# KiCad board Keebs v2.kicad_pcb (continued)
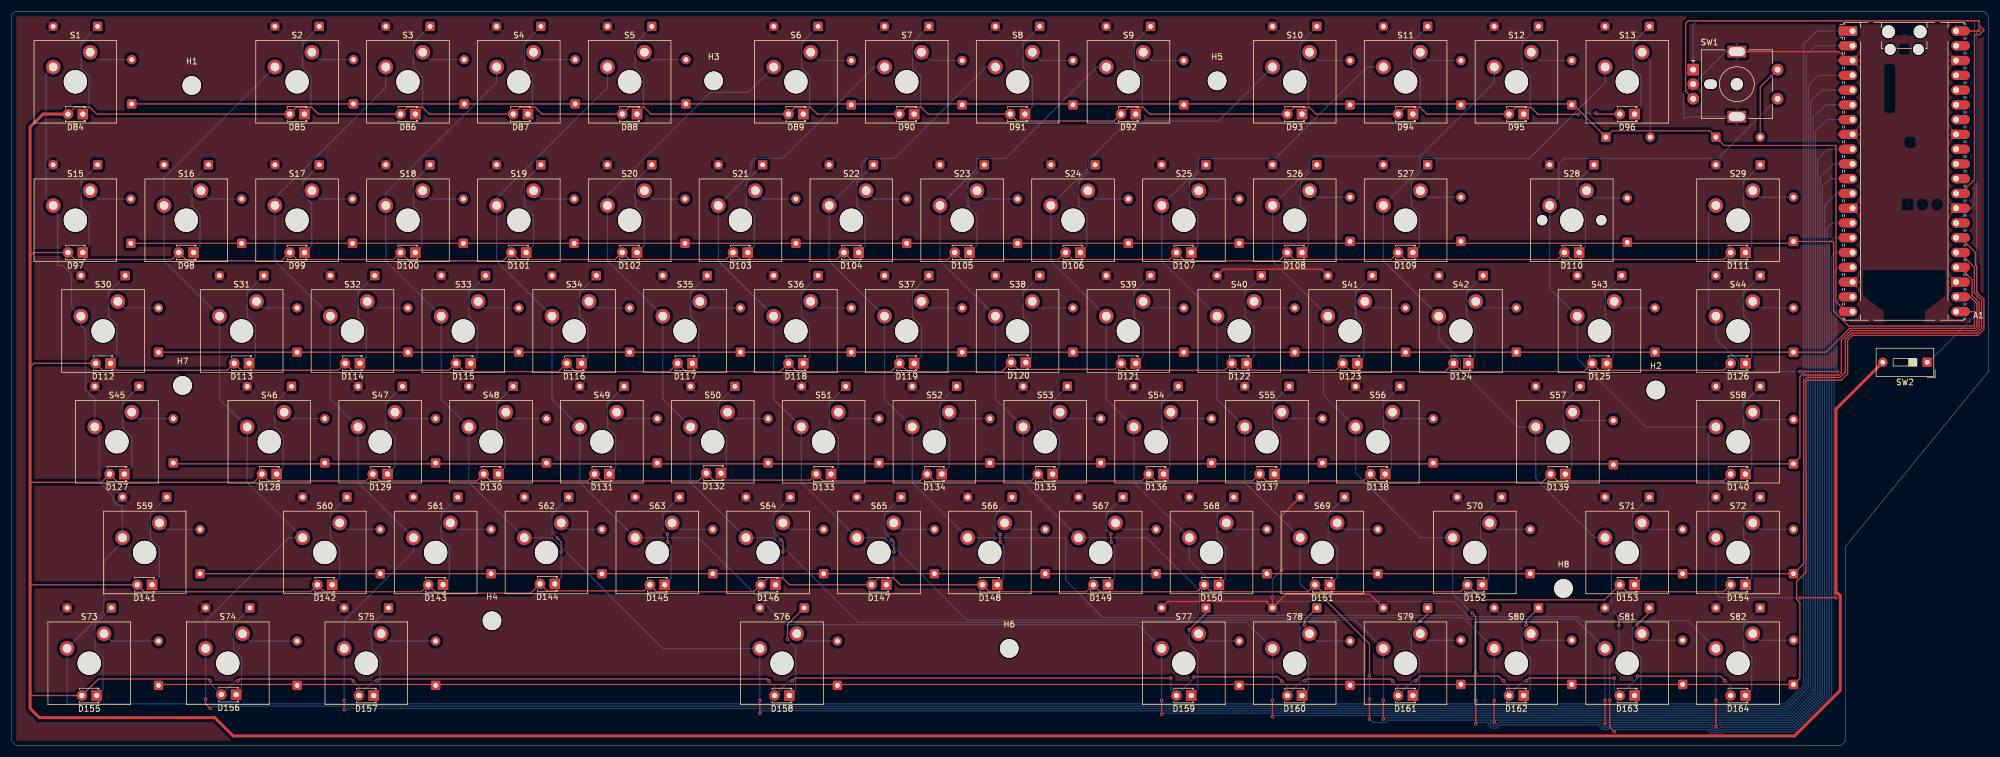
[diagram p0: board, top side]
## Placement (name value [footprint] x y rotation side) (continued)
S67  Keyswitch  [MX_Plate_1.00u]  187.15 33.18 0 top
S68  Keyswitch  [MX_Plate_1.00u]  206.2 33.18 0 top
S69  Keyswitch  [MX_Plate_1.00u]  225.25 33.18 0 top
S70  Keyswitch  [MX_Plate_1.75u]  251.44 33.18 0 top
S71  Keyswitch  [MX_Plate_1.00u]  277.64 33.18 0 top
S72  Keyswitch  [MX_Plate_1.00u]  296.69 33.18 0 top
S73  Keyswitch  [MX_Plate_1.25u]  13.33 14.13 0 top
S74  Keyswitch  [MX_Plate_1.25u]  37.15 14.13 0 top
S75  Keyswitch  [MX_Plate_1.25u]  60.96 14.13 0 top
S76  Keyswitch  [MX_Plate_6.25u]  132.39 14.13 0 top
S77  Keyswitch  [MX_Plate_1.00u]  201.44 14.13 0 top
S78  Keyswitch  [MX_Plate_1.00u]  220.49 14.13 0 top
S79  Keyswitch  [MX_Plate_1.00u]  239.54 14.13 0 top
S80  Keyswitch  [MX_Plate_1.00u]  258.59 14.13 0 top
S81  Keyswitch  [MX_Plate_1.00u]  277.64 14.13 0 top
S82  Keyswitch  [MX_Plate_1.00u]  296.69 14.13 0 top
SW1  RotaryEncoder_Switch_MP  [RotaryEncoder_Alps_EC11E-Switch_Vertical_H20mm_MountingHoles]  288.98 116.22 0 top
SW2  SW_DIP_x01  [SW_DIP_SPSTx01_Slide_9.78x4.72mm_W7.62mm_P2.54mm]  329.18 65.89 180 top

## Library data of the parts
A1 = -: Datasheet: https://datasheets.raspberrypi.com/pico/pico-datasheet.pdf; Description: Versatile and inexpensive microcontroller module powered by RP2040 dual-core Arm Cortex-M0+ processor up to 133 MHz, 264kB SRAM, 2MB QSPI flash; also supports Raspberry Pi Pico 2; ki_fp_filters: RaspberryPi?Pico?Common* RaspberryPi?Pico?SMD*
D1-D82 = -: Description: 1N4148 (DO-35) or 1N4148W (SOD-123); Sim.Device: D; Sim.Pins: 1=K 2=A; ki_fp_filters: D*DO?35*
D84-D164 = -: Description: Light emitting diode; ki_fp_filters: LED* LED_SMD:* LED_THT:*
H1-H8 = -: Description: Mounting Hole without connection; ki_fp_filters: MountingHole*
R1-R81 = -: ki_fp_filters: R_*
S1-S13 S15-S82 = -: Description: Push button switch, normally open, two pins, 45° tilted
SW1 = -: Description: Rotary encoder, dual channel, incremental quadrate outputs, with switch and MP Pin; ki_fp_filters: RotaryEncoder*Switch*
SW2 = -: Description: 1x DIP Switch, Single Pole Single Throw (SPST) switch, small symbol; ki_fp_filters: SW?DIP?x1*

## Footprints (pads in the part's own frame, mm; a bottom-side part is the same pattern mirrored in y, then rotated)
D_DO-35_SOD27_P7.62mm_Horizontal
  rrect 1.6x1.6 hole 0.8: 1(0,0)
  round 1.6 hole 0.8: 2(7.62,0)
LED_D1.8mm_W3.3mm_H2.4mm
  rect 1.8x1.8 hole 0.9: 1(0,0)
  round 1.8 hole 0.9: 2(2.54,0)
MountingHole_3.2mm_M3
  round 3.2 hole 3.2 unplated: (0,0)
MX_PCB_2.00u
  round 1.75 hole 1.75 unplated: (-5.08,0) (5.08,0)
  round 4 hole 4 unplated: (0,0)
  round 2.5 hole 1.5: 1(-3.81,2.54) 2(2.54,5.08)
MX_Plate_1.00u
  round 4 hole 4 unplated: (0,0)
  round 2.5 hole 1.5: 1(-3.81,2.54) 2(2.54,5.08)
MX_Plate_1.25u
  round 4 hole 4 unplated: (0,0)
  round 2.5 hole 1.5: 1(-3.81,2.54) 2(2.54,5.08)
MX_Plate_1.50u
  round 4 hole 4 unplated: (0,0)
  round 2.5 hole 1.5: 1(-3.81,2.54) 2(2.54,5.08)
MX_Plate_1.75u
  round 4 hole 4 unplated: (0,0)
  round 2.5 hole 1.5: 1(-3.81,2.54) 2(2.54,5.08)
MX_Plate_2.25u
  round 4 hole 4 unplated: (0,0)
  round 2.5 hole 1.5: 1(-3.81,2.54) 2(2.54,5.08)
MX_Plate_6.25u
  round 4 hole 4 unplated: (0,0)
  round 2.5 hole 1.5: 1(-3.81,2.54) 2(2.54,5.08)
RaspberryPi_Pico_Common_Unspecified
  round 2.2 hole 2.2 unplated: (-2.725,24) (2.725,24)
  round 1.85 hole 1.85 unplated: (-2.425,20.97) (2.425,20.97)
  custom 3.2x1.6 smd: 1(-9.69,24.13) 3(-9.69,19.05) 8(-9.69,6.35) 13(-9.69,-6.35) 18(-9.69,-19.05) 23(9.69,-19.05) 28(9.69,-6.35) 33(9.69,6.35) 38(9.69,19.05)
  rrect 1.6x1.6 hole 1: 1(-8.89,24.13)
  rrect 3.2x1.6 smd: 2(-9.69,21.59) 4(-9.69,16.51) 5(-9.69,13.97) 6(-9.69,11.43) 7(-9.69,8.89) 9(-9.69,3.81) 10(-9.69,1.27) 11(-9.69,-1.27) 12(-9.69,-3.81) 14(-9.69,-8.89) 15(-9.69,-11.43) 16(-9.69,-13.97) 17(-9.69,-16.51) 19(-9.69,-21.59) 20(-9.69,-24.13) 21(9.69,-24.13) 22(9.69,-21.59) 24(9.69,-16.51) 25(9.69,-13.97) 26(9.69,-11.43) 27(9.69,-8.89) 29(9.69,-3.81) 30(9.69,-1.27) 31(9.69,1.27) 32(9.69,3.81) 34(9.69,8.89) 35(9.69,11.43) 36(9.69,13.97) 37(9.69,16.51) 39(9.69,21.59) 40(9.69,24.13)
  round 1.6 hole 1: 2(-8.89,21.59) 4(-8.89,16.51) 5(-8.89,13.97) 6(-8.89,11.43) 7(-8.89,8.89) 9(-8.89,3.81) 10(-8.89,1.27) 11(-8.89,-1.27) 12(-8.89,-3.81) 14(-8.89,-8.89) 15(-8.89,-11.43) 16(-8.89,-13.97) 17(-8.89,-16.51) 19(-8.89,-21.59) 20(-8.89,-24.13) 21(8.89,-24.13) 22(8.89,-21.59) 24(8.89,-16.51) 25(8.89,-13.97) 26(8.89,-11.43) 27(8.89,-8.89) 29(8.89,-3.81) 30(8.89,-1.27) 31(8.89,1.27) 32(8.89,3.81) 34(8.89,8.89) 35(8.89,11.43) 36(8.89,13.97) 37(8.89,16.51) 39(8.89,21.59) 40(8.89,24.13)
  custom 1.6x1.6 hole 1: 3(-8.89,19.05) 8(-8.89,6.35) 13(-8.89,-6.35) 18(-8.89,-19.05) 23(8.89,-19.05) 28(8.89,-6.35) 33(8.89,6.35) 38(8.89,19.05)
RotaryEncoder_Alps_EC11E-Switch_Vertical_H20mm_MountingHoles
  oval 2.2x1.6 hole 2.2x1.6 unplated: (3,-2.5)
  round 2.1 hole 2.1 unplated: (7.5,-2.5)
  rect 2x2 hole 1: A(0,0)
  round 2 hole 1: B(0,-5) C(0,-2.5) S1(14.5,-5) S2(14.5,0)
  rect 3.2x2 hole 2.8x1.5: MP(7.5,3.1) MP(7.5,-8.1)
SW_DIP_SPSTx01_Slide_9.78x4.72mm_W7.62mm_P2.54mm
  rrect 1.6x1.6 hole 0.8: 1(0,0)
  round 1.6 hole 0.8: 2(7.62,0)

## Nets
GND: A1.3 A1.8 A1.13 A1.18 A1.23 A1.28 A1.33 A1.38 R1.2 R2.2 R3.2 R4.2 R5.2 R6.2 R7.2 R8.2 R9.2 R10.2 R11.2 R12.2 R13.2 R14.2 R15.2 R16.2 R17.2 R18.2 R19.2 R20.2 R21.2 R22.2 R23.2 R24.2 R25.2 R26.2 R27.2 R28.2 R29.2 R30.2 R31.2 R32.2 R33.2 R34.2 R35.2 R36.2 R37.2 R38.2 R39.2 R40.2 R41.2 R42.2 R43.2 R44.2 R45.2 R46.2 R47.2 R48.2 R49.2 R50.2 R51.2 R52.2 R53.2 R54.2 R55.2 R56.2 R57.2 R58.2 R59.2 R60.2 R61.2 R62.2 R63.2 R64.2 R65.2 R66.2 R67.2 R68.2 R69.2 R70.2 R71.2 R72.2 R73.2 R74.2 R75.2 R76.2 R77.2 R78.2 R79.2 R80.2 R81.2 SW1.C SW1.MP
VBUS: A1.40 SW2.1
COL0: A1.1 S1.1 S15.1 S30.1 S45.1 S59.1 S73.1
COL1: A1.2 S2.1 S16.1 S31.1 S46.1 S60.1 S74.1
COL2: A1.4 S3.1 S17.1 S32.1 S47.1 S61.1 S75.1
COL3: A1.5 S4.1 S18.1 S33.1 S48.1 S62.1 S76.1
COL4: A1.6 S5.1 S19.1 S34.1 S49.1 S63.1 S77.1
COL5: A1.7 S6.1 S20.1 S35.1 S50.1 S64.1 S78.1
COL6: A1.9 S7.1 S21.1 S36.1 S51.1 S65.1 S79.1
COL7: A1.10 S8.1 S22.1 S37.1 S52.1 S66.1 S80.1
COL8: A1.11 S9.1 S23.1 S38.1 S53.1 S67.1 S81.1
COL9: A1.12 S10.1 S24.1 S39.1 S54.1 S68.1 S82.1
COL10: A1.14 S11.1 S25.1 S40.1 S55.1 S69.1
COL11: A1.15 S12.1 S26.1 S41.1 S56.1 S70.1
COL12: A1.16 S13.1 S27.1 S42.1 S57.1 S71.1
COL13: A1.17 S28.1 S43.1 S58.1 S72.1 SW1.S1
COL14: A1.19 S29.1 S44.1
ENC_A: A1.27 SW1.A
ENC_B: A1.29 SW1.B
LED: D84.2 D85.2 D86.2 D87.2 D88.2 D89.2 D90.2 D91.2 D92.2 D93.2 D94.2 D95.2 D96.2 D97.2 D98.2 D99.2 D100.2 D101.2 D102.2 D103.2 D104.2 D105.2 D106.2 D107.2 D108.2 D109.2 D110.2 D111.2 D112.2 D113.2 D114.2 D115.2 D116.2 D117.2 D118.2 D119.2 D120.2 D121.2 D122.2 D123.2 D124.2 D125.2 D126.2 D127.2 D128.2 D129.2 D130.2 D131.2 D132.2 D133.2 D134.2 D135.2 D136.2 D137.2 D138.2 D139.2 D140.2 D141.2 D142.2 D143.2 D144.2 D145.2 D146.2 D147.2 D148.2 D149.2 D150.2 D151.2 D152.2 D153.2 D154.2 D155.2 D156.2 D157.2 D158.2 D159.2 D160.2 D161.2 D162.2 D163.2 D164.2 SW2.2
ROW0: A1.20 D1.1 D2.1 D3.1 D4.1 D5.1 D6.1 D7.1 D8.1 D9.1 D10.1 D11.1 D12.1 D13.1 D14.1
ROW1: A1.21 D15.1 D16.1 D17.1 D18.1 D19.1 D20.1 D21.1 D22.1 D23.1 D24.1 D25.1 D26.1 D27.1 D28.1 D29.1
ROW2: A1.22 D30.1 D31.1 D32.1 D33.1 D34.1 D35.1 D36.1 D37.1 D38.1 D39.1 D40.1 D41.1 D42.1 D43.1 D44.1
ROW3: A1.24 D45.1 D46.1 D47.1 D48.1 D49.1 D50.1 D51.1 D52.1 D53.1 D54.1 D55.1 D56.1 D57.1 D58.1
ROW4: A1.25 D59.1 D60.1 D61.1 D62.1 D63.1 D64.1 D65.1 D66.1 D67.1 D68.1 D69.1 D70.1 D71.1 D72.1
ROW5: A1.26 D73.1 D74.1 D75.1 D76.1 D77.1 D78.1 D79.1 D80.1 D81.1 D82.1
Net-(D1-A): D1.2 S1.2
Net-(D2-A): D2.2 S2.2
Net-(D3-A): D3.2 S3.2
Net-(D4-A): D4.2 S4.2
Net-(D5-A): D5.2 S5.2
Net-(D6-A): D6.2 S6.2
Net-(D7-A): D7.2 S7.2
Net-(D8-A): D8.2 S8.2
Net-(D9-A): D9.2 S9.2
Net-(D10-A): D10.2 S10.2
Net-(D11-A): D11.2 S11.2
Net-(D12-A): D12.2 S12.2
Net-(D13-A): D13.2 S13.2
Net-(D14-A): D14.2 SW1.S2
Net-(D15-A): D15.2 S15.2
Net-(D16-A): D16.2 S16.2
Net-(D17-A): D17.2 S17.2
Net-(D18-A): D18.2 S18.2
Net-(D19-A): D19.2 S19.2
Net-(D20-A): D20.2 S20.2
Net-(D21-A): D21.2 S21.2
Net-(D22-A): D22.2 S22.2
Net-(D23-A): D23.2 S23.2
Net-(D24-A): D24.2 S24.2
Net-(D25-A): D25.2 S25.2
Net-(D26-A): D26.2 S26.2
Net-(D27-A): D27.2 S27.2
Net-(D28-A): D28.2 S28.2
Net-(D29-A): D29.2 S29.2
Net-(D30-A): D30.2 S30.2
Net-(D31-A): D31.2 S31.2
Net-(D32-A): D32.2 S32.2
Net-(D33-A): D33.2 S33.2
Net-(D34-A): D34.2 S34.2
Net-(D35-A): D35.2 S35.2
Net-(D36-A): D36.2 S36.2
Net-(D37-A): D37.2 S37.2
Net-(D38-A): D38.2 S38.2
Net-(D39-A): D39.2 S39.2
Net-(D40-A): D40.2 S40.2
Net-(D41-A): D41.2 S41.2
Net-(D42-A): D42.2 S42.2
Net-(D43-A): D43.2 S43.2
Net-(D44-A): D44.2 S44.2
Net-(D45-A): D45.2 S45.2
Net-(D46-A): D46.2 S46.2
Net-(D47-A): D47.2 S47.2
Net-(D48-A): D48.2 S48.2
Net-(D49-A): D49.2 S49.2
Net-(D50-A): D50.2 S50.2
Net-(D51-A): D51.2 S51.2
Net-(D52-A): D52.2 S52.2
Net-(D53-A): D53.2 S53.2
Net-(D54-A): D54.2 S54.2
Net-(D55-A): D55.2 S55.2
Net-(D56-A): D56.2 S56.2
Net-(D57-A): D57.2 S57.2
Net-(D58-A): D58.2 S58.2
Net-(D59-A): D59.2 S59.2
Net-(D60-A): D60.2 S60.2
Net-(D61-A): D61.2 S61.2
Net-(D62-A): D62.2 S62.2
Net-(D63-A): D63.2 S63.2
Net-(D64-A): D64.2 S64.2
Net-(D65-A): D65.2 S65.2
Net-(D66-A): D66.2 S66.2
Net-(D67-A): D67.2 S67.2
Net-(D68-A): D68.2 S68.2
Net-(D69-A): D69.2 S69.2
Net-(D70-A): D70.2 S70.2
Net-(D71-A): D71.2 S71.2
Net-(D72-A): D72.2 S72.2
Net-(D73-A): D73.2 S73.2
Net-(D74-A): D74.2 S74.2
Net-(D75-A): D75.2 S75.2
Net-(D76-A): D76.2 S76.2
Net-(D77-A): D77.2 S77.2
Net-(D78-A): D78.2 S78.2
Net-(D79-A): D79.2 S79.2
Net-(D80-A): D80.2 S80.2
Net-(D81-A): D81.2 S81.2
Net-(D82-A): D82.2 S82.2
Net-(D84-K): D84.1 R1.1
Net-(D85-K): D85.1 R2.1
Net-(D86-K): D86.1 R3.1
Net-(D87-K): D87.1 R4.1
Net-(D88-K): D88.1 R5.1
Net-(D89-K): D89.1 R6.1
Net-(D90-K): D90.1 R7.1
Net-(D91-K): D91.1 R8.1
Net-(D92-K): D92.1 R9.1
Net-(D93-K): D93.1 R10.1
Net-(D94-K): D94.1 R11.1
Net-(D95-K): D95.1 R12.1
Net-(D96-K): D96.1 R13.1
Net-(D97-K): D97.1 R14.1
Net-(D98-K): D98.1 R15.1
Net-(D99-K): D99.1 R16.1
Net-(D100-K): D100.1 R17.1
Net-(D101-K): D101.1 R18.1
Net-(D102-K): D102.1 R19.1
Net-(D103-K): D103.1 R20.1
Net-(D104-K): D104.1 R21.1
Net-(D105-K): D105.1 R22.1
Net-(D106-K): D106.1 R23.1
Net-(D107-K): D107.1 R24.1
Net-(D108-K): D108.1 R25.1
Net-(D109-K): D109.1 R26.1
Net-(D110-K): D110.1 R27.1
Net-(D111-K): D111.1 R28.1
Net-(D112-K): D112.1 R29.1
Net-(D113-K): D113.1 R30.1
Net-(D114-K): D114.1 R31.1
Net-(D115-K): D115.1 R32.1
Net-(D116-K): D116.1 R33.1
Net-(D117-K): D117.1 R34.1
Net-(D118-K): D118.1 R35.1
Net-(D119-K): D119.1 R36.1
Net-(D120-K): D120.1 R37.1
Net-(D121-K): D121.1 R38.1
Net-(D122-K): D122.1 R39.1
Net-(D123-K): D123.1 R40.1
Net-(D124-K): D124.1 R41.1
Net-(D125-K): D125.1 R42.1
Net-(D126-K): D126.1 R43.1
Net-(D127-K): D127.1 R44.1
Net-(D128-K): D128.1 R45.1
Net-(D129-K): D129.1 R46.1
Net-(D130-K): D130.1 R47.1
Net-(D131-K): D131.1 R48.1
Net-(D132-K): D132.1 R49.1
Net-(D133-K): D133.1 R50.1
Net-(D134-K): D134.1 R51.1
Net-(D135-K): D135.1 R52.1
Net-(D136-K): D136.1 R53.1
Net-(D137-K): D137.1 R54.1
Net-(D138-K): D138.1 R55.1
Net-(D139-K): D139.1 R56.1
Net-(D140-K): D140.1 R57.1
Net-(D141-K): D141.1 R58.1
Net-(D142-K): D142.1 R59.1
Net-(D143-K): D143.1 R60.1
Net-(D144-K): D144.1 R61.1
Net-(D145-K): D145.1 R62.1
Net-(D146-K): D146.1 R63.1
Net-(D147-K): D147.1 R64.1
Net-(D148-K): D148.1 R65.1
Net-(D149-K): D149.1 R66.1
Net-(D150-K): D150.1 R67.1
Net-(D151-K): D151.1 R68.1
Net-(D152-K): D152.1 R69.1
Net-(D153-K): D153.1 R70.1
Net-(D154-K): D154.1 R71.1
Net-(D155-K): D155.1 R72.1
Net-(D156-K): D156.1 R73.1
Net-(D157-K): D157.1 R74.1
Net-(D158-K): D158.1 R75.1
Net-(D159-K): D159.1 R76.1
Net-(D160-K): D160.1 R77.1
Net-(D161-K): D161.1 R78.1
Net-(D162-K): D162.1 R79.1
Net-(D163-K): D163.1 R80.1
Net-(D164-K): D164.1 R81.1

Pads without a net: A1 30 31 32 34 35 36 37 39

## Via types
v1: diameter 0.6, hole 0.3, Top to Bottom, 74 vias

## Routing (per net, layer and track width the routed paths; a pad name or vN(x,y) marks a point on that pad's centre or on a via; arc(x,y) is an arc through that point)
GND: length 127.2
  Top w0.2: SW1.MP 314.03,119.32 A1.3 ; v1(216.68,25.4) R77.2 ; R77.2 215.58,24.75 198.73,24.75 R76.2 ; R77.2 219.03,26 233.38,26 R78.2 ; v1(218.27,30.16) 218.27,39.53 R68.2 ; R39.2 208.26,81.9 225.1,81.9 R40.2
  Bottom w0.2: v1(218.27,30.16) 216.68,28.57 v1(216.68,25.4) ; SW1.MP 288.29,108.12 288.11,107.94 287.32,107.94 287.32,112.06 SW1.C 294.58,119.32 SW1.MP
VBUS: length 65
  Top w0.2: v1(338.12,123.02) 337.96,122.87 A1.40
  Bottom w0.2: v1(338.12,123.02) 337.72,122.63 337.72,76.6 337.32,76.2 337.32,73.81 329.4,65.89 ; 329.4,65.89 329.39,65.88 ; 329.4,65.89 SW2.1
COL0: length 539.8
  Bottom w0.2: A1.1 310.18,122.87 307.96,120.64 307.96,10.32 304.78,7.14 9.52,7.14 S73.1 15.87,23.02 15.87,31.75 19.05,34.92 S59.1 19.05,41.27 18.26,41.27 17.46,42.07 17.46,42.86 15.08,45.24 15.08,53.18 14.29,53.97 S45.1 14.29,59.53 12.7,61.11 12.7,71.43 11.91,72.23 S30.1 10.32,75.4 10.32,80.96 8.73,82.54 7.94,82.54 7.94,91.28 7.15,92.07 S15.1 5.9,94.11 5.9,115.42 S1.1
COL1: length 529.7
  Top w0.2: v1(33.34,7.94) 33.34,7.14 v1(34.13,6.35)
  Bottom w0.2: S2.1 26.2,97.62 S16.1 26.2,83.33 S31.1 35.72,59.53 S46.1 40.48,45.24 S60.1 47.62,35.72 33.34,21.43 S74.1 v1(33.34,7.94) ; v1(34.13,6.35) 34.52,6.74 304.95,6.74 308.36,10.15 308.36,118.66 310.02,120.33 A1.2
COL2: length 498.3
  Top w0.2: v1(57.15,7.74) v1(57.15,6.14)
  Bottom w0.2: v1(57.15,6.14) 57.73,6.14 57.93,6.34 305.11,6.34 308.76,9.99 308.76,113.51 310.5,115.25 A1.4 ; S3.1 64.3,113.16 45.25,94.11 S17.1 45.25,83.33 S32.1 54.77,59.53 S47.1 59.53,45.24 S61.1 69.05,33.34 57.15,21.43 S75.1 v1(57.15,7.74)
COL3: length 449.5
  Top w0.2: v1(128.58,7.74) v1(128.58,5.56)
  Bottom w0.2: A1.5 311.13,112.71 309.16,110.73 309.16,9.82 305.28,5.94 128.96,5.94 v1(128.58,5.56) ; v1(128.58,7.74) S76.1 111.91,16.67 92.86,35.72 S62.1 78.58,45.24 S48.1 73.81,59.53 S33.1 64.3,83.33 S18.1 64.3,94.95 83.35,114 S4.1
COL4: length 428.3
  Top w0.2: v1(197.63,7.74) v1(197.63,5.34)
  Bottom w0.2: S5.1 102.4,113.17 83.35,94.12 S19.1 83.35,83.33 S34.1 92.86,59.53 S49.1 97.63,45.24 S63.1 118.07,35.72 133.03,20.76 193.54,20.76 S77.1 v1(197.63,7.74) ; A1.6 312.08,110.17 311.92,110.32 309.56,107.96 309.56,9.65 309.54,9.64 309.54,9.52 305.56,5.54 197.83,5.54 v1(197.63,5.34)
COL5: length 415.1
  Top w0.2: v1(216.68,7.74) v1(216.68,4.94)
  Bottom w0.2: A1.7 312.03,107.63 309.96,105.56 309.96,9.37 305.72,5.14 216.88,5.14 v1(216.68,4.94) ; S6.1 126.64,112.34 120.11,112.34 102.4,94.63 S20.1 102.4,83.33 S35.1 111.91,59.53 S50.1 116.67,45.24 S64.1 130.96,35.72 145.52,21.16 212.19,21.16 S78.1 v1(216.68,7.74)
COL6: length 391.8
  Top w0.2: v1(235.73,7.74) v1(235.73,4.54)
  Bottom w0.2: S7.1 148.25,116.67 132.53,100.95 127.93,100.95 126.99,100.01 126.99,98.41 S21.1 121.45,83.33 S36.1 130.96,59.53 S51.1 135.72,45.24 S65.1 150.01,35.72 164.17,21.56 230.84,21.56 S79.1 v1(235.73,7.74) ; A1.9 312.13,102.55 310.36,100.77 310.36,9.21 305.89,4.74 235.93,4.74 v1(235.73,4.54)
COL7: length 375
  Top w0.2: v1(254.78,7.74) v1(254.78,3.97)
  Bottom w0.2: S8.1 167.45,116.67 151.72,100.95 146.98,100.95 146.04,100.01 146.04,98.4 S22.1 140.5,83.33 S37.1 150.01,59.53 S52.1 154.77,45.24 S66.1 181.15,35.72 181.15,28.39 187.58,21.96 249.48,21.96 S80.1 v1(254.78,7.74) ; v1(254.78,3.97) 255.15,4.34 306.06,4.34 310.76,9.04 310.76,97.63 313.14,100.01 A1.10
COL8: length 352.5
  Top w0.2: v1(273.83,7.74) v1(273.83,3.74)
  Bottom w0.2: v1(273.83,7.74) S81.1 268.78,21.71 250.3,21.71 249.65,22.36 204.65,22.36 204.15,22.87 204.15,26.64 195.07,35.72 S67.1 173.82,45.24 S53.1 169.06,59.53 S38.1 159.55,83.33 S23.1 165.88,99.2 165.88,100.8 166.03,100.95 170.79,100.95 186.52,116.67 S9.1 ; A1.11 312.88,97.47 312.72,97.63 311.16,96.07 311.16,8.88 306.22,3.94 274.03,3.94 v1(273.83,3.74)
COL9: length 342.7
  Top w0.2: v1(292.88,7.74) v1(292.88,3.17)
  Bottom w0.2: A1.12 313.63,94.93 311.56,92.86 311.56,8.71 306.39,3.53 293.23,3.53 v1(292.88,3.17) ; v1(292.88,7.74) S82.1 288.11,21.43 269.86,21.43 269.17,22.11 250.47,22.11 247.83,24.75 206.51,24.75 206.36,24.6 206.13,24.83 206.13,28.12 202.39,31.86 S68.1 192.87,45.24 S54.1 188.11,59.53 S39.1 178.6,83.33 S24.1 185.1,99.36 185.1,100.63 191.85,107.38 207.4,107.38 S10.1
COL10: length 322.5
  Top w0.2: v1(225.41,25.4) 233.35,17.46 v1(233.35,12.02) ; v1(233.35,7.94) v1(233.35,4.54)
  Bottom w0.2: S11.1 232.86,116.67 217.14,100.95 204.13,100.95 203.98,100.8 203.98,99.19 S25.1 197.65,83.32 S40.1 207.16,59.53 S55.1 211.92,45.24 S69.1 221.44,27.78 223.82,25.4 v1(225.41,25.4) ; v1(233.35,4.54) 233.95,3.94 236.12,3.94 236.52,4.34 254.3,4.34 254.18,4.22 254.18,3.72 254.53,3.37 255.03,3.37 255.57,3.91 255.57,3.94 273.23,3.94 273.23,3.49 273.58,3.14 274.22,3.14 274.62,3.53 292.38,3.53 292.27,3.42 292.27,2.93 292.63,2.57 293.12,2.57 293.67,3.12 293.67,3.13 306.55,3.13 311.97,8.54 311.97,88.94 312.88,89.85 A1.14 ; v1(233.35,12.02) v1(233.35,7.94)
COL11: length 305.7
  Top w0.2: v1(251.6,12.51) 251.6,22.15 v1(251.04,22.71) ; v1(251.6,7.74) v1(251.6,3.74)
  Bottom w0.2: v1(251.6,12.51) v1(251.6,7.74) ; A1.15 313.16,87.31 312.37,86.51 312.37,8.38 306.72,2.73 293.85,2.73 293.29,2.17 292.46,2.17 291.87,2.76 291.87,3.13 274.79,3.13 274.39,2.73 273.41,2.73 272.82,3.32 272.82,3.53 255.76,3.53 255.19,2.97 254.36,2.97 253.78,3.55 253.78,3.94 251.8,3.94 v1(251.6,3.74) ; v1(251.04,22.71) 247.63,26.12 S70.1 242.08,35.72 230.97,46.83 S56.1 225.41,60.32 225.41,73.02 S41.1 216.7,83.32 S26.1 223.03,99.19 223.03,100.46 223.92,101.35 242.13,101.35 254.8,114.01 S12.1
COL12: length 281.9
  Top w0.2: v1(275.41,2.38) 274.63,3.17 v1(274.63,7.74) ; v1(276.21,22.03) v1(276.21,20.64)
  Bottom w0.2: S13.1 273.85,114.01 260.78,100.95 242.23,100.95 242.08,100.8 242.08,99.19 S27.1 235.75,83.32 S42.1 245.25,69.96 248.99,66.22 248.99,64.66 258.88,54.77 S57.1 261.92,45.85 272.06,35.72 S71.1 274.93,34.62 274.93,23.31 v1(276.21,22.03) ; v1(275.41,2.38) 275.77,2.73 291.47,2.73 291.47,2.59 292.29,1.77 293.46,1.77 294.02,2.33 306.89,2.33 312.77,8.21 312.77,84.13 313.4,84.77 A1.16 ; v1(274.63,7.74) 274.63,14.44 276.21,16.02 v1(276.21,20.64)
COL13: length 217.3
  Top w0.2: v1(307.36,25.4) v1(313.51,25.4)
  Bottom w0.2: v1(313.51,25.4) 313.17,25.74 313.17,81.41 313.99,82.23 A1.17 ; SW1.S1 293.2,100.95 266.83,100.95 265.89,100.01 265.89,94.45 S28.1 264.3,78.58 S43.1 269.06,66.56 280.86,54.77 S58.1 291.63,53.52 291.63,36.97 S72.1 292.88,26.19 293.67,25.4 v1(307.36,25.4)
COL14: length 63.3
  Top w0.2: v1(307.36,64.29) v1(313.77,64.29)
  Bottom w0.2: A1.19 314.46,77.15 314.31,76.99 314.31,76.93 313.57,76.2 313.57,64.49 v1(313.77,64.29) ; v1(307.36,64.29) 296.98,64.29 296.75,64.52 296.75,66.08 292.88,69.96 S44.1 291.63,75.06 291.63,91.61 S29.1
ENC_A: length 92.4
  Bottom w0.2: A1.27 337.32,93.02 337.32,124.61 289.7,124.61 288.98,123.89 SW1.A
ENC_B: length 97.2
  Top w0.2: A1.29 A1.29 337.32,97.3 337.32,122.23 338.17,122.23 338.91,122.97 338.91,123.08 338.37,123.62 338.12,123.62 338.12,124.61 288.11,124.61 287.68,124.17 287.68,112.52 SW1.B
LED: length 2313.5
  Top w0.2: v1(269.21,108.53) 262.31,108.53 261.06,109.78 258.52,109.78 D95.2 243.21,108.58 242.01,109.78 239.47,109.78 D94.2 224.16,108.58 222.96,109.78 220.42,109.78 D93.2 195.59,108.58 194.39,109.78 191.85,109.78 D92.2 189.45,107.38 172.8,107.38 D91.2 157.49,108.58 156.29,109.78 153.75,109.78 D90.2 138.44,108.58 137.24,109.78 134.7,109.78 D89.2 109.87,108.58 108.67,109.78 106.13,109.78 D88.2 91.14,108.58 89.94,109.78 87.4,109.78 D87.2 71.77,108.58 70.57,109.78 68.03,109.78 D86.2 52.72,108.58 51.52,109.78 48.98,109.78 D85.2 14.63,108.58 13.42,109.78 10.88,109.78 D84.2 ; v1(199.22,11.58) 134.61,11.58 v1(134.14,11.11) ; v1(272.24,108.74) 272.4,108.58 D96.2 ; v1(260.33,11.11) 260.8,11.58 v1(275.41,11.58) ; v1(58.73,11.08) 58.39,11.42 39.2,11.42 v1(38.89,11.11) ; v1(62.71,11.11) 63.01,11.42 129.86,11.42 v1(130.17,11.11) ; v1(237.32,11.08) 236.97,11.42 222.55,11.42 v1(222.24,11.11) ; 3.17,65.08 3.81,65.72 D112.2 15.65,64.52 37.06,64.52 D113.2 39.46,64.52 56.1,64.52 D114.2 58.51,64.52 75.15,64.52 D115.2 77.78,64.29 93.97,64.29 D116.2 96.83,64.29 113.02,64.29 D117.2 115.88,64.29 132.07,64.29 D118.2 134.93,64.29 151.12,64.29 D119.2 153.98,64.29 170.17,64.29 D120.2 172.96,64.68 189.6,64.68 D121.2 191.85,64.52 208.49,64.52 D122.2 210.9,64.52 227.54,64.52 D123.2 230.17,64.29 246.36,64.29 D124.2 249.22,64.29 270.18,64.29 D125.2 272.81,64.52 294.21,64.52 D126.2 ; v1(256.37,11.11) 255.57,11.91 242.08,11.91 v1(241.28,11.11) ; D154.2 294.21,26.42 277.57,26.42 D153.2 273.78,25.03 252.76,25.03 D152.2 248.97,26.42 225.18,26.42 D151.2 222.78,26.42 206.13,26.42 D150.2 203.73,26.42 187.09,26.42 D149.2 184.68,26.42 168.04,26.42 D148.2 152.73,27.62 151.53,28.82 148.99,28.82 D147.2 133.68,27.62 132.48,28.82 129.94,28.82 D146.2 127.54,26.42 110.89,26.42 D145.2 108.65,26.58 92,26.58 D144.2 89.21,26.19 73.02,26.19 D143.2 70.39,26.42 53.74,26.42 D142.2 51.34,26.42 22.79,26.42 D141.2 3.33,27.62 3.17,27.78 ; v1(279.39,11.91) 293.67,11.91 v1(294.46,11.11) ; v1(34.13,11.11) 33.82,11.42 14.91,11.42 D155.2 3.33,8.57 3.17,8.73 ; D111.2 294.21,83.57 268.04,83.57 D110.2 265.64,83.57 239.47,83.57 D109.2 237.07,83.57 220.42,83.57 D108.2 217.79,83.34 201.6,83.34 D107.2 198.97,83.57 182.32,83.57 D106.2 179.92,83.57 163.27,83.57 D105.2 160.87,83.57 144.23,83.57 D104.2 141.82,83.57 125.18,83.57 D103.2 122.78,83.57 106.13,83.57 D102.2 103.73,83.57 87.08,83.57 D101.2 84.45,83.34 68.26,83.34 D100.2 65.63,83.57 48.98,83.57 D99.2 46.35,83.34 30.16,83.34 D98.2 27.53,83.57 10.88,83.57 D97.2 3.81,84.77 3.17,84.13 ; 3.17,45.24 15.4,45.24 D127.2 18.26,45.24 41.59,45.24 D128.2 44.22,45.47 60.87,45.47 D129.2 63.27,45.47 79.92,45.47 D130.2 82.32,45.47 98.96,45.47 D131.2 101.37,45.47 118.01,45.47 D132.2 120.57,45.63 137.22,45.63 D133.2 139.46,45.47 156.11,45.47 D134.2 158.51,45.47 175.16,45.47 D135.2 177.56,45.47 194.21,45.47 D136.2 196.61,45.47 213.26,45.47 D137.2 215.66,45.47 232.31,45.47 D138.2 234.94,45.24 263.03,45.24 D139.2 265.66,45.47 294.21,45.47 D140.2 ; v1(218.27,11.08) 217.55,11.79 v1(203.19,11.79)
  Top w0.5: SW2.2 313.51,57.84 313.51,26.19 313.78,26.19 314.26,25.71 314.26,9.48 306.41,1.63 38.05,1.63 34.92,4.76 4.76,4.76 3.17,6.35 3.17,106.36 5.4,108.58 D84.2
  Bottom w0.2: v1(279.39,11.91) 279.39,11.59 D163.2 275.41,9.52 v1(275.41,11.58) ; v1(241.28,11.11) 240.81,11.11 D161.2 238.27,10.12 v1(237.32,11.08) ; v1(134.14,11.11) 133.66,11.11 D158.2 131.12,10.16 v1(130.17,11.11) ; v1(218.27,11.08) 219.22,10.12 D160.2 221.76,11.11 v1(222.24,11.11) ; v1(58.73,11.08) 59.69,10.12 D157.2 62.23,11.11 v1(62.71,11.11) ; v1(269.21,108.53) 269.42,108.74 v1(272.24,108.74) ; v1(199.22,11.58) 199.22,9.52 D159.2 203.19,11.59 v1(203.19,11.79) ; v1(38.89,11.11) 38.42,11.11 D156.2 34.13,10.64 v1(34.13,11.11) ; D164.2 295.42,10.16 v1(294.46,11.11) ; v1(260.33,11.11) 259.86,11.11 D162.2 257.32,10.16 v1(256.37,11.11)
ROW0: length 327.2
  Top w0.2: D1.1 267.95,110.32 D12.1 268.43,110.17 D13.1 275.09,105.71 291.77,105.71 D14.1 294.3,103.18 313.51,103.18 313.51,76.33 315.24,74.61 A1.20
ROW1: length 335.5
  Top w0.2: A1.21 337.32,74.61 337.32,74.61 337.32,72.23 337.23,72.14 315.68,72.14 313.11,74.71 313.11,86.51 312.95,86.67 D29.1 305.89,86.35 D15.1
ROW2: length 322.3
  Top w0.2: D30.1 D44.1 311.78,67.62 315.89,71.74 337.4,71.74 337.72,72.06 337.72,75.97 336.55,77.15 A1.22
ROW3: length 344.1
  Top w0.2: A1.24 334.77,82.23 336.9,80.1 336.9,77.36 338.12,76.14 338.12,71.89 337.56,71.33 316.06,71.33 314.44,69.71 314.44,64.11 314.02,63.69 308.16,63.69 307.96,63.89 307.8,63.89 307.31,63.39 307.31,49.52 D58.1 27.94,48.42 D45.1
ROW4: length 360.5
  Top w0.2: D59.1 D72.1 307.96,31.27 307.96,62.7 308.54,63.29 314.18,63.29 315.12,64.22 315.12,69.83 316.22,70.93 337.73,70.93 338.53,71.73 338.53,76.56 337.3,77.78 337.3,82.23 334.76,84.77 A1.25
ROW5: length 390.3
  Top w0.2: D73.1 25.4,10.48 D82.1 307.31,11.58 307.31,24.59 306.75,25.15 306.75,28.18 308.36,29.79 308.36,62.54 308.64,62.82 314.42,62.82 315.52,63.92 315.52,69.66 316.39,70.53 337.9,70.53 338.93,71.56 338.93,76.73 337.7,77.95 337.7,82.4 337.47,82.63 337.47,84.78 334.94,87.31 A1.26
Net-(D1-A): length 7.7
  Bottom w0.2: D1.2 14.76,117.94 S1.2
Net-(D2-A): length 7.7
  Bottom w0.2: S2.2 52.86,117.94 D2.2
Net-(D3-A): length 7.7
  Bottom w0.2: D3.2 71.91,117.94 S3.2
Net-(D4-A): length 7.7
  Bottom w0.2: S4.2 90.96,117.94 D4.2
Net-(D5-A): length 7.7
  Bottom w0.2: S5.2 110.01,117.94 D5.2
Net-(D6-A): length 7.6
  Bottom w0.2: D6.2 138.75,117.79 S6.2
Net-(D7-A): length 7.6
  Bottom w0.2: D7.2 157.8,117.79 S7.2
Net-(D8-A): length 7.6
  Bottom w0.2: D8.2 176.85,117.79 S8.2
Net-(D9-A): length 7.6
  Bottom w0.2: S9.2 195.9,117.79 D9.2
Net-(D10-A): length 7.6
  Bottom w0.2: D10.2 224.47,117.79 S10.2
Net-(D11-A): length 7.6
  Bottom w0.2: S11.2 243.52,117.79 D11.2
Net-(D12-A): length 7.6
  Bottom w0.2: D12.2 262.57,117.79 S12.2
Net-(D13-A): length 15.2
  Bottom w0.2: D13.2 281.61,117.8 S13.2
Net-(D14-A): length 12.8
  Top w0.2: D14.2 300.5,113.24 SW1.S2
Net-(D15-A): length 7.6
  Bottom w0.2: D15.2 14.92,93.97 S15.2
Net-(D16-A): length 7.6
  Bottom w0.2: S16.2 33.97,93.97 D16.2
Net-(D17-A): length 7.6
  Bottom w0.2: D17.2 53.02,93.97 S17.2
Net-(D18-A): length 7.6
  Bottom w0.2: S18.2 72.07,93.97 D18.2
Net-(D19-A): length 7.6
  Bottom w0.2: S19.2 91.12,93.97 D19.2
Net-(D20-A): length 7.6
  Bottom w0.2: S20.2 110.17,93.97 D20.2
Net-(D21-A): length 7.6
  Bottom w0.2: S21.2 129.22,93.97 D21.2
Net-(D22-A): length 7.6
  Bottom w0.2: D22.2 148.27,93.97 S22.2
Net-(D23-A): length 7.6
  Bottom w0.2: D23.2 167.32,93.97 S23.2
Net-(D24-A): length 7.6
  Bottom w0.2: D24.2 186.37,93.97 S24.2
Net-(D25-A): length 7.6
  Bottom w0.2: S25.2 205.42,93.97 D25.2
Net-(D26-A): length 7.4
  Bottom w0.2: D26.2 224.15,94.29 S26.2
Net-(D27-A): length 7.4
  Bottom w0.2: S27.2 243.2,94.29 D27.2
Net-(D28-A): length 7.5
  Bottom w0.2: S28.2 271.92,94.13 D28.2
Net-(D29-A): length 7.4
  Bottom w0.2: S29.2 300.34,94.29 D29.2
Net-(D30-A): length 7.4
  Bottom w0.2: S30.2 19.37,75.24 D30.2
Net-(D31-A): length 7.4
  Bottom w0.2: D31.2 43.18,75.24 S31.2
Net-(D32-A): length 7.4
  Bottom w0.2: D32.2 62.23,75.24 S32.2
Net-(D33-A): length 7.4
  Bottom w0.2: S33.2 81.28,75.24 D33.2
Net-(D34-A): length 7.4
  Bottom w0.2: D34.2 100.32,75.24 S34.2
Net-(D35-A): length 7.4
  Bottom w0.2: S35.2 119.37,75.24 D35.2
Net-(D36-A): length 7.5
  Bottom w0.2: D36.2 138.42,75.24 S36.2
Net-(D37-A): length 7.4
  Bottom w0.2: D37.2 157.47,75.24 S37.2
Net-(D38-A): length 7.4
  Bottom w0.2: D38.2 176.52,75.24 S38.2
Net-(D39-A): length 7.4
  Bottom w0.2: D39.2 195.57,75.24 S39.2
Net-(D40-A): length 7.4
  Bottom w0.2: D40.2 214.62,75.24 S40.2
Net-(D41-A): length 7.4
  Bottom w0.2: S41.2 233.67,75.24 D41.2
Net-(D42-A): length 7.4
  Bottom w0.2: S42.2 252.71,75.24 D42.2
Net-(D43-A): length 7.4
  Bottom w0.2: D43.2 276.53,75.24 S43.2
Net-(D44-A): length 7.4
  Bottom w0.2: D44.2 300.34,75.24 S44.2
Net-(D45-A): length 7.6
  Bottom w0.2: S45.2 21.75,56.19 D45.2
Net-(D46-A): length 7.4
  Bottom w0.2: D46.2 47.94,56.19 S46.2
Net-(D47-A): length 7.4
  Bottom w0.2: S47.2 66.99,56.19 D47.2
Net-(D48-A): length 7.4
  Bottom w0.2: S48.2 86.04,56.19 D48.2
Net-(D49-A): length 7.4
  Bottom w0.2: S49.2 105.09,56.19 D49.2
Net-(D50-A): length 7.4
  Bottom w0.2: S50.2 124.14,56.19 D50.2
Net-(D51-A): length 7.4
  Bottom w0.2: S51.2 143.18,56.19 D51.2
Net-(D52-A): length 7.4
  Bottom w0.2: S52.2 162.23,56.19 D52.2
Net-(D53-A): length 7.4
  Bottom w0.2: D53.2 181.28,56.19 S53.2
Net-(D54-A): length 7.4
  Bottom w0.2: S54.2 200.33,56.19 D54.2
Net-(D55-A): length 7.4
  Bottom w0.2: S55.2 219.38,56.19 D55.2
Net-(D56-A): length 7.4
  Bottom w0.2: S56.2 238.43,56.19 D56.2
Net-(D57-A): length 7.6
  Bottom w0.2: S57.2 269.7,55.88 D57.2
Net-(D58-A): length 7.5
  Bottom w0.2: S58.2 300.5,56.04 D58.2
Net-(D59-A): length 7.4
  Bottom w0.2: D59.2 26.51,37.14 S59.2
Net-(D60-A): length 7.4
  Bottom w0.2: S60.2 57.46,37.14 D60.2
Net-(D61-A): length 7.4
  Bottom w0.2: S61.2 76.51,37.14 D61.2
Net-(D62-A): length 7.4
  Bottom w0.2: S62.2 95.56,37.14 D62.2
Net-(D63-A): length 7.4
  Bottom w0.2: S63.2 114.61,37.14 D63.2
